# Altium PCB flight controller rev2.PcbDoc (part 3 of 3)
Units mil, origin at the board's own origin, x right, y up, seen from the top; angles counter-clockwise.
Board outline 2992.13 x 3937.01 mil, 4 copper layers (Top Layer, horizontal, vertical, Bottom Layer), stack 70.112 mil thick; 184 components, 196 nets, 867 pads, 294 vias.
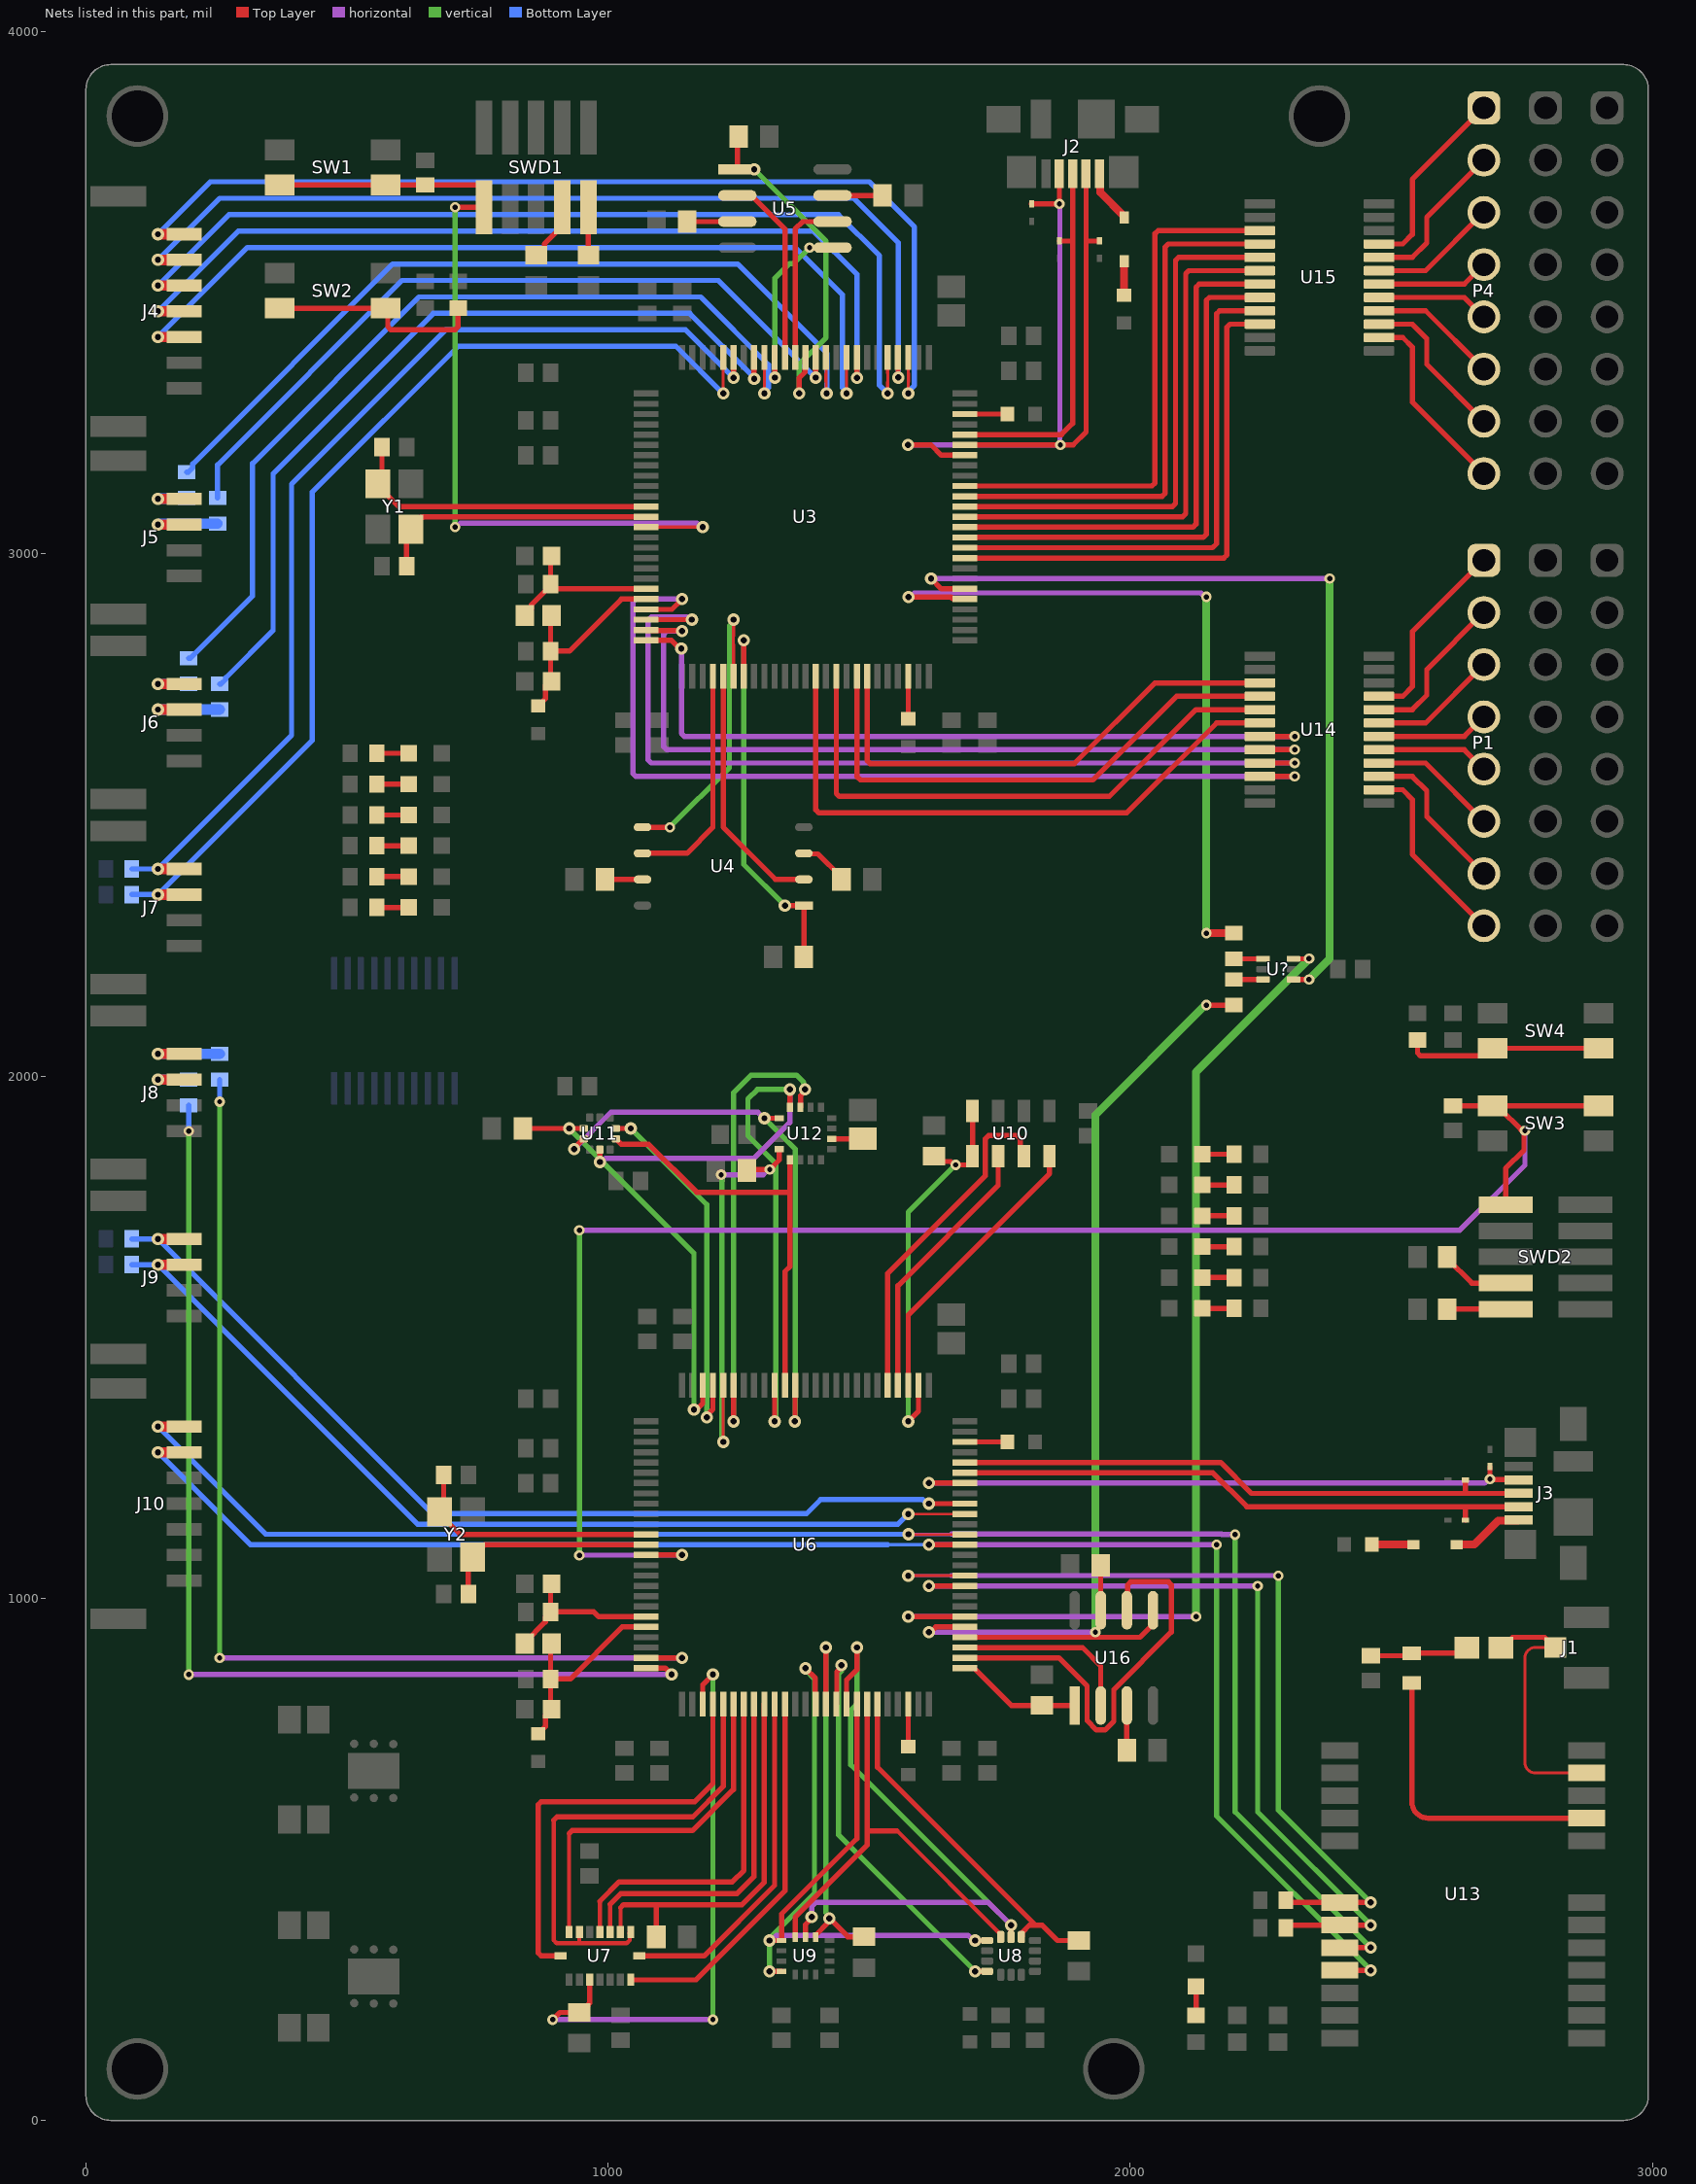
[diagram p5: the nets of this part, all layers, seen from the top]

## Via types
v1: diameter 23.62, hole 11.81, Top Layer to vertical, 133 vias
v2: diameter 23.62, hole 11.81, Top Layer to Bottom Layer, 86 vias
v3: diameter 20, hole 10, horizontal to vertical, 32 vias
v4: diameter 20, hole 10, Top Layer to vertical, 19 vias
v5: diameter 20, hole 10, Top Layer to horizontal, 12 vias
v6: diameter 23.62, hole 11.81, Top Layer to horizontal, 9 vias
v7: diameter 20, hole 10, vertical to Bottom Layer, 2 vias
v8: diameter 23.62, hole 11.81, horizontal to Bottom Layer, 1 vias

## Nets (pads, with @x,y where several pads share a name; then routed paths per layer and width w, separated by ;. In a path a pad name is that pad's centre, name@x,y a point inside that pad or via, vN(x,y) a via of type N, cw(c..) or ccw(c..) an arc to the next point about the centre after c; other vN are vias at no path point) (continued)
I2C1_SCL_MP: J7.1 R1.1 U3.95 | length 2039
  Top Layer w10: v2(137.8,2396.65) J7.1@187.99,2396.65 ; v2(1240.02,3337.43) v2(1240.02,3337.43) 1240.08,3375.92 U3.95@1240.14,3375.98
  Top Layer w20: v2(137.8,2396.65) J7.1@187.99,2396.65
  Bottom Layer w10: R1.1@87.6,2396.65 v2(137.8,2396.65) 393.7,2652.56 393.7,3133.86 688.98,3429.13 1148.31,3429.13 v2(1240.02,3337.43)
I2C1_SDA_MP: J7.2 R2.2 U3.96 | length 2053.4
  Top Layer w6: v2(1220.46,3307.09) 1220.46,3328.97 1220.21,3329.22 1220.21,3345.63 1220.46,3345.88 U3.96@1220.46,3375.98
  Top Layer w10: v2(137.8,2347.44) J7.2@187.99,2347.44
  Top Layer w20: v2(137.8,2347.44) J7.2@187.99,2347.44
  Bottom Layer w10: R2.2@87.6,2347.44 v2(137.8,2347.44) 433.07,2642.72 433.07,3118.11 712.6,3397.64 1129.91,3397.64 v2(1220.46,3307.09)
I2C3_SCL_CP: J9.1 R3.1 U6.67 | length 1928.2
  Top Layer w10: v2(137.8,1687.99) J9.1@187.99,1687.99 ; v2(1614.16,1181.1) U6.67@1683.06,1181.1
  Top Layer w20: v2(137.8,1687.99) J9.1@187.99,1687.99
  Bottom Layer w10: R3.1@87.6,1687.99 v2(137.8,1687.99) 663.84,1161.94 1379.83,1161.94 1406.86,1188.98 1602.6,1188.98 1610.47,1181.1 v2(1614.16,1181.1)
I2C3_SDA_CP: J9.2 R4.1 U6.66 | length 1909.9
  Top Layer w5: v2(1574.79,1161.17) 1574.91,1161.29 1682.93,1161.29 U6.66@1683.06,1161.42
  Top Layer w10: v2(137.8,1638.78) J9.2@187.99,1638.78
  Top Layer w20: v2(137.8,1638.78) J9.2@187.99,1638.78
  Bottom Layer w10: R4.1@87.6,1638.78 v2(137.8,1638.78) 634.84,1141.73 1555.35,1141.73 v2(1574.79,1161.17)
I2C4_SCL_CP: R13.2 U6.59 U13.19 | length 1602.5
  Top Layer w10: v1(1614.16,1023.62) U6.59@1683.06,1023.62 ; R13.2@2298.23,368.85 2303.39,374.02 U13.19@2401.56,374.02 v1(2460.61,374.02)
  horizontal w10: v1(1614.16,1023.62) 1614.32,1023.47 2243.92,1023.47 v3(2244.08,1023.31)
  vertical w10: v3(2244.08,1023.31) 2244.08,590.55 v1(2460.61,374.02)
I2C4_SDA_CP: R14.2 U6.60 U13.18 | length 1680.2
  Top Layer w5: v1(1574.79,1043.18) 1574.91,1043.31 1606.16,1043.31 ; 1606.16,1043.3 1622.16,1043.3 ; 1622.16,1043.31 U6.60@1683.06,1043.31
  Top Layer w10: R14.2@2298.23,421.26 2302.16,417.32 U13.18@2401.56,417.32 v1(2460.61,417.32)
  horizontal w5: v1(1574.79,1043.18) 1574.91,1043.31 1602.77,1043.31 1657.46,1043.3
  horizontal w10: 1657.47,1043.31 2283.13,1043.31 v3(2283.45,1042.99)
  vertical w10: v3(2283.45,1042.99) 2283.45,594.49 v1(2460.61,417.32)
INT_BMI088_ACCEL1: U6.35 U7.16 | length 662.4
  Top Layer w10: U7.16@1059.63,314.96 1183.8,314.96 1318.88,450.04 1318.88,755.75 U6.35@1318.88,797.24
INT_BMI088_ACCEL2: U6.36 U7.1 | length 723.7
  Top Layer w10: U7.1@1043.29,269.1 1168.25,269.1 1338.57,439.42 U6.36@1338.57,797.24
INT_BMI088_GYRO1: U6.32 U7.12 | length 677.4
  Top Layer w8: U7.12@984.24,360.83 984.24,419.34
  Top Layer w10: 984.24,419.34 984.24,419.65 1021.28,456.69 1237.81,456.69 1259.83,478.71 1259.83,755.75 U6.32@1259.83,797.24
INT_BMI088_GYRO2: U6.33 U7.13 | length 680.9
  Top Layer w8: U7.13@1003.92,360.83 1003.92,413.88
  Top Layer w10: 1003.92,413.88 1024.38,434.34 1246.88,434.34 1279.51,466.98 U6.33@1279.51,797.24
INT_ICM42688P: U6.41 U8.4 | length 799
  Top Layer w10: U6.41@1436.99,797.24 1437.9,798.15 1437.9,858.97 1447.07,868.14 v1(1447.07,871.83) ; v1(1702.74,285.43) U8.4@1725.77,285.43
  vertical w10: v1(1447.07,871.83) 1447.07,860.45 1441.12,854.5 1441.12,547.06 v1(1702.74,285.43)
INT_ICM45686: U6.39 U9.4 | length 723.1
  Top Layer w10: v1(1309.04,285.43) U9.4@1332.17,285.43 ; v1(1377.94,865.78) 1396.72,847.01 1396.72,798.15 U6.39@1397.62,797.24
  vertical w10: v1(1309.04,285.43) 1309.04,348.43 1395.24,434.63 1395.24,845.53 1377.94,862.84 v1(1377.94,865.78)
INT_ICP20100: U6.97 U11.7 | length 707.8
  Top Layer w10: U11.7@1014.95,1899.61 v1(1043.29,1899.61) ; v1(1188.96,1346.46) 1188.96,1350.14 1200.77,1361.95 U6.97@1200.77,1407.48
  vertical w10: v1(1043.29,1899.61) 1188.96,1753.94 v1(1188.96,1346.46)
INT_MMC5983MA: U6.95 U12.15 | length 905.2
  Top Layer w10: v1(1240.02,1338.58) 1240.08,1338.65 1240.08,1407.42 U6.95@1240.14,1407.48 ; U12.15@1368.09,1939.96 1369,1940.87 1369,1962.69 1377.03,1970.72 v1(1377.03,1974.41)
  vertical w10: v1(1240.02,1338.58) 1240.02,1967.95 1273.87,2001.81 1360.38,2001.81 1374.43,1987.76 1374.43,1977.02 v1(1377.03,1974.41)
nCS_BMI088_ACCEL: R21.1 U6.34 U7.14 | length 745.7
  Top Layer w8: U7.14@1023.81,361.03 1023.81,407.23
  Top Layer w10: U7.14@1023.61,360.83 U7.14@1023.81,361.03 ; 1023.81,407.23 1029.67,413.09 1090.54,413.09 ; R21.1@1092.22,351.54 1092.22,411.41 1090.54,413.09 ; U6.34@1299.2,797.24 1299.2,755.75 1299.2,455.84 1256.45,413.09 1090.54,413.09
nCS_BMI088_GYRO: R20.1 U6.28 U7.5 | length 1162.7
  Top Layer w10: v5(893.7,192.91) 907.48,206.69 948.8,206.69 961.52,219.41 961.52,221.38 964.55,224.41 U7.5@964.55,269.1 ; U6.28@1181.09,797.24 1181.09,834.25 v1(1200.77,853.94)
  horizontal w10: v5(893.7,192.91) v3(1200.77,192.91)
  vertical w10: v3(1200.77,192.91) v1(1200.77,853.94)
nCS_EEPROM_CP: R19.1 U6.51 U16.1 | length 240
  Top Layer w10: U6.51@1683.06,866.14 1700.77,866.14 1772.27,794.65 R19.1@1830.69,794.65 U16.1@1893.49,794.64
nCS_EEPROM_MP: R10.1 U3.88 U5.1 | length 637.5
  Top Layer w10: U5.1@1247.38,3736.42 R10.1@1247.38,3799.21 ; v1(1365.78,3307.09) 1365.78,3336.81 1377.03,3348.06 U3.88@1377.03,3369.47
  vertical w10: v1(1279.64,3736.42) 1417.31,3598.75 1417.31,3414.28 1365.78,3362.75 v1(1365.78,3307.09)
nCS_FLASH_MP: R7.1 U3.32 U4.1 | length 744.4
  Top Layer w10: v1(1259.7,2834.65) 1259.76,2834.58 1259.76,2765.81 U3.32@1259.83,2765.75 ; v1(1338.57,2326.58) U4.1@1375.01,2326.58 R7.1@1375.01,2228.35
  vertical w10: v1(1259.7,2834.65) 1259.7,2405.44 v1(1338.57,2326.58)
nCS_ICM42688P: R22.1 U6.45 U8.12 | length 684.8
  Top Layer w10: U6.45@1515.73,797.24 1515.73,676.46 1818.17,374.02 ; U8.12@1791.32,350.98 1793.21,352.87 1793.21,360.16 1807.07,374.02 1818.17,374.02 ; R22.1@1901.56,344.49 1860.63,344.49 1831.1,374.02 1818.17,374.02
nCS_ICM45686: R23.1 U6.40 U9.12 | length 757.6
  Top Layer w10: U9.12@1397.62,350.89 1397.62,355.16 1421.1,378.63 1421.1,384.44 v1(1423.71,387.05) 1459.22,351.54 R23.1@1490.02,351.54 ; U6.40@1417.31,797.24 1417.31,856.86 1417.06,857.11 1417.06,875.18 1417.31,875.43 1417.31,905.01 v1@1417.56,905.26
  vertical w10: v1(1417.31,905.51) 1417.06,905.26 1417.06,397.38 1423.71,390.73 v1(1423.71,387.05)
nCS_ICP20100: R26.1 U6.98 U11.1 | length 810.8
  Top Layer w10: R26.1@836.6,1899.61 v1(925.38,1899.61) U11.1@953.53,1899.61 ; v1(1164.28,1360.96) 1166.89,1363.57 1171.6,1363.57 1181.09,1373.06 U6.98@1181.09,1407.48
  vertical w10: v1(925.38,1899.61) 1164.28,1660.7 v1(1164.28,1360.96)
nCS_MMC5983MA: R25.1 U6.96 U12.4 | length 810.8
  Top Layer w6: v1(1220.46,1299.21) 1220.46,1330.13 1220.21,1330.38 1220.21,1358.49 1220.46,1358.74 U6.96@1220.46,1407.48
  Top Layer w10: R25.1@1265.73,1818.9 1267.7,1820.87 v5(1309.45,1820.87) 1327.74,1839.15 1327.74,1859.33 U12.4@1326.83,1860.24
  horizontal w10: v3(1216.52,1811.02) 1296.9,1811.02 1306.75,1820.87 v5(1309.45,1820.87)
  vertical w10: v3(1216.52,1811.02) 1218.21,1809.34 1218.21,1301.46 v1(1220.46,1299.21)
nCS_MS5611: R24.1 U6.77 U10.4 U10.5 | length 785.8
  Top Layer w10: v1(1574.79,1338.58) 1594.47,1358.27 U6.77@1594.47,1407.48 ; R24.1@1624,1846.46 1634.1,1836.35 1656.08,1836.35 1662.63,1829.8 1691.01,1829.8 1697.82,1836.61 U10.4@1697.82,1933.07
  vertical w10: v1(1574.79,1338.58) 1574.79,1739.25 v4(1665.34,1829.8)
NetC19_2: C19.2 U3.73 | length 81.7
  Top Layer w10: U3.73@1683.06,3267.72 C19.2@1764.75,3267.72
NetC20_2: C20.2 U3.48 | length 81.7
  Top Layer w10: C20.2@1574.79,2684.06 U3.48@1574.79,2765.75
NetC39_2: C39.2 U6.73 | length 81.7
  Top Layer w10: U6.73@1683.06,1299.21 C39.2@1764.75,1299.21
NetC40_2: C40.2 U6.48 | length 81.7
  Top Layer w10: C40.2@1574.79,715.55 U6.48@1574.79,797.24
NetC49_1: C49.1 U12.10 | length 60
  Top Layer w10: U12.10@1428.13,1879.92 C49.1@1488.17,1879.92
NetC54_1: C54.1 FB3.2 R28.1 | length 193
  Top Layer w10: C54.1@2460.61,889.76 2534.43,889.76 ccw(c2534.43,894.69) R28.1@2539.36,894.69 2633.8,894.69 ccw(c2633.8,905.51) FB3.2@2644.63,905.51
NetD1_2: D1.2 R27.2 | length 55.7
  Top Layer w10: R27.2@2125.97,200.79 D1.2@2125.97,256.5
NetD2_1: D2.1 FB4.1 | length 65.6
  Top Layer w15: FB4.1@1988.17,3495.28 D2.1@1988.17,3560.83
NetD2_2: D2.2 J2.1 | length 103.6
  Top Layer w15: J2.1@1940.93,3727.95 1942.29,3726.59 1942.29,3692.54 1988.17,3646.65 D2.2@1988.17,3643.9
NetD3_1: D3.1 FB5.1 | length 79.5
  Top Layer w15: FB5.1@2462.58,1102.85 D3.1@2542.11,1102.85
NetD3_2: D3.2 J3.1 | length 137.9
  Top Layer w15: D3.2@2625.18,1102.85 2659.3,1102.85 2704.69,1148.25 2742.33,1148.25 J3.1@2743.69,1149.61
NetD4_2: D4.2 R39.2 | length 61
  Top Layer w10: R39.2@557.07,2618.11 D4.2@618.1,2618.11
NetD5_2: D5.2 R40.2 | length 61
  Top Layer w10: R40.2@557.07,2559.06 D5.2@618.1,2559.06
NetD6_2: D6.2 R41.2 | length 61
  Top Layer w10: R41.2@557.07,2500 D6.2@618.1,2500
NetD7_2: D7.2 R42.2 | length 61
  Top Layer w10: R42.2@557.07,2440.95 D7.2@618.1,2440.95
NetD8_2: D8.2 R43.2 | length 61
  Top Layer w10: R43.2@557.07,2381.89 D8.2@618.1,2381.89
NetD9_2: D9.2 R44.2 | length 61
  Top Layer w10: R44.2@557.07,2322.84 D9.2@618.1,2322.84
NetD10_2: D10.2 R45.2 | length 61
  Top Layer w10: D10.2@2137.78,1555.12 R45.2@2198.8,1555.12
NetD11_2: D11.2 R46.2 | length 61
  Top Layer w10: D11.2@2137.78,1614.17 R46.2@2198.8,1614.17
NetD12_2: D12.2 R47.2 | length 61
  Top Layer w10: D12.2@2137.78,1673.23 R47.2@2198.8,1673.23
NetD13_2: D13.2 R48.2 | length 61
  Top Layer w10: D13.2@2137.78,1732.28 R48.2@2198.8,1732.28
NetD14_2: D14.2 R49.2 | length 61
  Top Layer w10: D14.2@2137.78,1791.34 R49.2@2198.8,1791.34
NetD15_2: D15.2 R50.2 | length 61
  Top Layer w10: D15.2@2137.78,1850.39 R50.2@2198.8,1850.39
NetFB3_1: FB3.1 J1.1 U13.11 | length 520
  Top Layer w5.62: J1.1@2813.96,905.51 2775.59,905.51 ccw(c2775.59,885.83) 2755.91,885.83 2755.91,685.04 ccw(c2775.59,685.04) 2775.59,665.35 U13.11@2874,665.35
  Top Layer w10: FB3.1@2709.67,905.51 2712.58,905.51 2732.27,925.2 2793.29,925.2 2812.98,905.51 J1.1@2813.96,905.51
NetJ5_1: J5.1 R53.2 | length 106.1
  Top Layer w20: v2(137.8,3105.32) J5.1@187.99,3105.32
  Bottom Layer w20: v2(137.8,3105.32) 138.49,3106.01 191.64,3106.01 R53.2@192.91,3107.28
NetJ5_2: J5.2 R54.2 | length 165.2
  Top Layer w20: v2(137.8,3056.1) J5.2@187.99,3056.1
  Bottom Layer w20: v2(137.8,3056.1) 138.78,3056.1 140.74,3058.07 R54.2@251.97,3058.07
NetJ6_1: J6.1 R51.2 | length 109.3
  Top Layer w20: v2(137.8,2750.98) J6.1@187.99,2750.98
  Bottom Layer w20: v2(137.8,2750.98) R51.2@196.85,2750.98
NetJ6_2: J6.2 R52.2 | length 168.3
  Top Layer w20: v2(137.8,2701.77) J6.2@187.99,2701.77
  Bottom Layer w20: v2(137.8,2701.77) R52.2@255.91,2701.77
NetJ8_1: J8.1 R55.2 | length 168.3
  Top Layer w20: v2(137.8,2042.32) J8.1@187.99,2042.32
  Bottom Layer w20: v2(137.8,2042.32) R55.2@255.91,2042.32
NetJ8_2: J8.2 R56.2 | length 109.3
  Top Layer w20: v2(137.8,1993.11) J8.2@187.99,1993.11
  Bottom Layer w20: v2(137.8,1993.11) R56.2@196.85,1993.11
NetP1_1: P1.1 U14.21 | length 370.2
  Top Layer w10: U14.21@2476.36,2727.36 2521.84,2727.36 2540.34,2745.87 2540.34,2850.98 P1.1@2677.15,2987.8
NetP1_2: P1.2 U14.20 | length 306.7
  Top Layer w10: U14.20@2476.36,2701.77 2540.34,2701.77 2567.93,2729.36 2567.93,2778.57 P1.2@2677.15,2887.8
NetP1_3: P1.3 U14.19 | length 247
  Top Layer w10: U14.19@2476.36,2676.18 2565.54,2676.18 P1.3@2677.15,2787.8
NetP1_4: P1.4 U14.18 | length 216.2
  Top Layer w10: U14.18@2476.36,2650.59 2639.95,2650.59 P1.4@2677.15,2687.8
NetP1_5: P1.5 U14.17 | length 216.2
  Top Layer w10: U14.17@2476.36,2625 2639.95,2625 P1.5@2677.15,2587.8
NetP1_6: P1.6 U14.16 | length 247
  Top Layer w10: U14.16@2476.36,2599.41 2565.54,2599.41 P1.6@2677.15,2487.8
NetP1_7: P1.7 U14.15 | length 306.7
  Top Layer w10: U14.15@2476.36,2573.82 2540.34,2573.82 2567.93,2546.23 2567.93,2497.02 P1.7@2677.15,2387.8
NetP1_8: P1.8 U14.14 | length 370.2
  Top Layer w10: U14.14@2476.36,2548.23 2521.84,2548.23 2540.34,2529.72 2540.34,2424.61 P1.8@2677.15,2287.8
NetP4_1: P4.1 U15.21 | length 370.2
  Top Layer w10: U15.21@2476.36,3593.5 2521.84,3593.5 2540.34,3612.01 2540.34,3717.13 P4.1@2677.15,3853.94
NetP4_2: P4.2 U15.20 | length 306.7
  Top Layer w10: U15.20@2476.36,3567.91 2540.34,3567.91 2567.93,3595.5 2567.93,3644.72 P4.2@2677.15,3753.94
NetP4_3: P4.3 U15.19 | length 247
  Top Layer w10: U15.19@2476.36,3542.32 2565.54,3542.32 P4.3@2677.15,3653.94
NetP4_4: P4.4 U15.18 | length 216.2
  Top Layer w10: U15.18@2476.36,3516.73 2639.95,3516.73 P4.4@2677.15,3553.94
NetP4_5: P4.5 U15.17 | length 216.2
  Top Layer w10: U15.17@2476.36,3491.14 2639.95,3491.14 P4.5@2677.15,3453.94
NetP4_6: P4.6 U15.16 | length 247
  Top Layer w10: U15.16@2476.36,3465.55 2565.54,3465.55 P4.6@2677.15,3353.94
NetP4_7: P4.7 U15.15 | length 306.7
  Top Layer w10: U15.15@2476.36,3439.96 2540.34,3439.96 2567.93,3412.37 2567.93,3363.16 P4.7@2677.15,3253.94
NetP4_8: P4.8 U15.14 | length 370.2
  Top Layer w10: U15.14@2476.36,3414.37 2521.84,3414.37 2540.34,3395.87 2540.34,3290.75 P4.8@2677.15,3153.94
NetR5_1: R5.1 U4.3 | length 94.8
  Top Layer w10: U4.3@1375.01,2426.58 1376.05,2425.53 1401.82,2425.53 1446.84,2380.51 R5.1@1446.84,2376.58
NetR6_1: R6.1 U4.7 | length 71.8
  Top Layer w10: R6.1@994.08,2376.58 U4.7@1065.91,2376.58
NetR8_1: R8.1 U5.3 | length 95.8
  Top Layer w10: R8.1@1151.56,3636.42 U5.3@1247.38,3636.42
NetR9_1: R9.1 U5.7 | length 95.8
  Top Layer w10: U5.7@1429.75,3686.42 R9.1@1525.58,3686.42
NetR17_1: R17.1 U16.3 | length 86
  Top Layer w10: R17.1@1993.49,708.66 U16.3@1993.49,794.64
NetR18_1: R18.1 U16.7 | length 86
  Top Layer w10: U16.7@1943.49,977.01 R18.1@1943.49,1062.99
NetR28_2: R28.2 U13.9 | length 580
  Top Layer w10: R28.2@2539.36,837.6 2539.36,610.24 ccw(c2570.85,610.24) 2570.85,578.74 U13.9@2874,578.74
NetR29_1: R29.1 SWD1.2 | length 91.9
  Top Layer w10: R29.1@962.19,3571.85 SWD1.2@962.19,3663.78
NetR30_1: R30.1 SWD1.4 | length 114.4
  Top Layer w10: R30.1@862.19,3571.85 865.14,3571.85 877.86,3584.57 877.86,3593.62 912.19,3627.95 SWD1.4@912.19,3663.78
NetR31_1: R31.1 SWD2.2 | length 111.6
  Top Layer w10: R31.1@2607.27,1553.54 SWD2.2@2718.88,1553.54
NetR32_1: R32.1 SWD2.4 | length 134.1
  Top Layer w10: R32.1@2607.27,1653.54 2607.27,1650.59 2654.32,1603.54 SWD2.4@2718.88,1603.54
NetR36_2: R36.2 SW2.2 SW2.4 | length 415.7
  Top Layer w10: SW2.4@371.05,3470.47 SW2.2@573.8,3470.47 578.02,3466.25 578.02,3434.99 583.88,3429.13 706.73,3429.13 712.58,3434.99 712.58,3468.5 R36.2@710.61,3470.47
NetR38_2: R38.2 SW4.2 SW4.4 | length 379.5
  Top Layer w10: R38.2@2550.18,2068.9 2550.18,2044.32 2556.04,2038.46 2679.2,2038.46 SW4.4@2693.88,2053.15 SW4.2@2896.64,2053.15
NetR57_2: R57.2 U?.1 | length 55.5
  Top Layer w10: R57.2@2198.8,2224.41 U?.1@2254.33,2224.41
NetR58_2: R58.2 U?.3 | length 55.5
  Top Layer w10: R58.2@2198.8,2185.04 U?.3@2254.33,2185.04
nRESET_CP: C56.1 SW3.1 SW3.3 SWD2.10 U6.14 | length 3324.1
  Top Layer w10: U6.14@1072.82,1082.68 1072.88,1082.74 1141.65,1082.74 v1(1141.72,1082.8) ; C56.1@2618.1,1942.91 SW3.3@2708.66,1942.91 ; SWD2.10@2718.88,1753.54 2718.88,1823.01 2753.99,1858.12 2753.99,1893.76 v5(2755.91,1895.67) 2753.99,1897.58 2748.07,1897.58 2708.66,1936.99 SW3.3@2708.66,1942.91 ; SW3.1@2896.64,1942.91 SW3.3@2708.66,1942.91
  horizontal w10: v3(944.87,1082.05) 945.24,1082.43 1141.34,1082.43 v1(1141.72,1082.8) ; v3(944.87,1704.72) 2631.28,1704.72 2755.91,1829.35 v5(2755.91,1895.67)
  vertical w10: v3(944.87,1082.05) v3(944.87,1704.72)
nRESET_MP: C55.1 SW1.1 SW1.3 SWD1.10 U3.14 | length 1684.6
  Top Layer w6: U3.14@1072.95,3051.31 v1(1181.09,3051.31)
  Top Layer w10: SW1.1@371.05,3706.69 SW1.3@573.8,3706.69 C55.1@649.59,3706.69 751.44,3706.69 762.19,3695.95 SWD1.10@762.19,3663.78 v4(706.73,3663.78)
  horizontal w10: v3(706.73,3051.31) 709.43,3051.31 717.18,3059.06 1169.65,3059.06 1177.4,3051.31 v1(1181.09,3051.31)
  vertical w10: v3(706.73,3051.31) v4(706.73,3663.78)
PH0_CP: C38.1 U6.12 Y2.1 | length 486.1
  Top Layer w10: Y2.1@677.15,1161.42 716.52,1122.05 U6.12@1072.82,1122.05 ; Y2.1@677.15,1165.35 685.02,1173.23 C38.1@685.02,1236.22
PH0_MP: C18.1 U3.12 Y1.1 | length 608.2
  Top Layer w10: C18.1@566.91,3204.72 566.91,3137.8 559.04,3129.92 598.41,3090.55 U3.12@1072.82,3090.55
PH1_CP: C37.1 U6.13 Y2.3 | length 415
  Top Layer w10: C37.1@732.27,1007.87 732.27,1070.87 Y2.3@740.14,1078.74 ; Y2.3@740.14,1082.68 758.76,1101.3 762.7,1101.3 763.76,1102.36 U6.13@1072.82,1102.36
PH1_MP: C17.1 U3.13 Y1.3 | length 533.1
  Top Layer w10: C17.1@614.16,2976.38 614.16,3039.37 Y1.3@622.03,3047.24 ; Y1.3@622.03,3051.18 640.65,3069.8 645.45,3069.8 646.51,3070.87 U3.13@1072.82,3070.87
SPI1_MISO_CP: U6.90 U11.6 U12.5 | length 812.5
  Top Layer w10: U11.6@1014.95,1879.92 1015.73,1879.92 1017.62,1878.03 1017.62,1877.24 1025.58,1869.29 1077.86,1869.29 1169.59,1777.56 1348.41,1777.56 ; U6.90@1338.57,1407.48 1338.57,1625.53 1348.41,1635.37 1348.41,1777.56 ; U12.5@1348.41,1839.57 1348.41,1777.56
SPI1_MISO_MP: U3.90 U5.2 | length 363.9
  Top Layer w10: U5.2@1247.38,3686.42 1274.19,3686.42 1338.57,3622.04 U3.90@1338.57,3375.98
SPI1_MOSI_CP: U6.91 U11.4 U12.16 | length 1314
  Top Layer w10: v6(984.24,1835.55) U11.4@984.24,1859.06 ; U6.91@1318.88,1407.48 U6.91@1318.88,1407.48 1318.95,1338.65 v1(1319.01,1338.58) ; U12.16@1348.41,1939.96 v1(1348.41,1974.25)
  horizontal w10: v6(984.24,1835.55) 987.92,1835.55 994.89,1842.52 1279.53,1842.52 1348.41,1911.4 v1(1348.41,1974.25)
  vertical w10: v1(1319.01,1338.58) 1321.01,1340.58 1321.01,1832.52 1267.7,1885.83 1267.7,1956.14 1285.97,1974.41 1348.25,1974.41 v1(1348.41,1974.25)
SPI1_MOSI_MP: U3.91 U5.5 | length 363.5
  Top Layer w10: U3.91@1318.88,3375.98 1319.07,3375.8 1319.07,3337.74 v1(1319.26,3337.55) ; v4(1385.83,3586.42) U5.5@1429.75,3586.42
  vertical w10: v1(1319.26,3337.55) 1319.26,3527.62 1347.7,3556.06 1355.47,3556.06 v4(1385.83,3586.42)
SPI1_SCK_CP: U6.89 U11.2 U12.1 | length 1128.9
  Top Layer w10: v6(935.02,1860.24) 935.02,1862.21 952.74,1879.92 U11.2@953.53,1879.92 ; v1(1299.2,1919.29) U12.1@1327.74,1919.29 ; v1(1357.69,1338.58) 1357.97,1338.87 1357.97,1407.2 U6.89@1358.25,1407.48
  horizontal w10: v6(935.02,1860.24) 1005.57,1930.78 1286.53,1930.78 1298.02,1919.29 v1(1299.2,1919.29)
  vertical w10: v1(1299.2,1919.29) 1358.13,1860.36 1358.13,1339.02 v1(1357.69,1338.58)
SPI1_SCK_MP: U3.89 U5.6 | length 323.5
  Top Layer w10: U3.89@1358.25,3375.98 1358.25,3622.04 1372.63,3636.42 U5.6@1429.75,3636.42
SPI2_MISO_CP: U6.53 U16.2 | length 350.8
  Top Layer w10: U6.53@1683.06,905.51 1908.45,905.51 1943.49,870.47 U16.2@1943.49,794.64
SPI2_MOSI_CP: U6.54 U16.5 | length 397.6
  Top Layer w10: U6.54@1683.06,925.2 2018.48,925.2 2043.49,950.2 U16.5@2043.49,977.01
SPI2_SCK_CP: U6.52 U16.6 | length 833.1
  Top Layer w10: U6.52@1683.06,885.83 1863.42,885.83 1917.31,831.94 1917.31,765.62 1935.17,747.75 1951.81,747.75 1968.49,764.43 1968.49,824.85 2078.74,935.1 2078.74,1025.64 2072.88,1031.5 2000.87,1031.5 1995.02,1025.64 1995.02,978.54 U16.6@1993.49,977.01
SPI3_INT_MP: J4.5 U3.84 | length 1781
  Top Layer w5: v2(1456.68,3307.09) U3.84@1456.68,3375.98
  Top Layer w10: v2(137.8,3415.35) J4.5@187.99,3415.35
  Top Layer w20: v2(137.8,3415.35) J4.5@187.99,3415.35
  Bottom Layer w10: v2(137.8,3415.35) 309.06,3586.61 1358.27,3586.61 1448.82,3496.06 1448.82,3318.63 1456.68,3310.77 v2(1456.68,3307.09)
SPI3_MISO_CP: U6.79 U10.6 | length 518.5
  Top Layer w10: U6.79@1555.1,1407.48 1555.1,1448.98 1555.1,1598.41 1747.03,1790.34 U10.6@1747.03,1846.46
SPI3_MISO_MP: J4.2 U3.79 | length 1899.1
  Top Layer w10: v2(137.8,3562.99) J4.2@187.99,3562.99 ; U3.79@1555.1,3375.98 1555.35,3375.73 1555.35,3337.99 v2(1555.61,3337.74)
  Top Layer w20: v2(137.8,3562.99) J4.2@187.99,3562.99
  Bottom Layer w10: v2(137.8,3562.99) 255.91,3681.1 1470.52,3681.1 1555.61,3596.02 v2(1555.61,3337.74)
SPI3_MOSI_CP: U6.80 U10.7 | length 658.1
  Top Layer w10: U6.80@1535.42,1407.48 1535.42,1622.05 1722.43,1809.06 1722.43,1879.97 1728.28,1885.83 1783.58,1885.83 1789.43,1879.97 1789.43,1853.27 U10.7@1796.24,1846.46
SPI3_MOSI_MP: J4.3 U3.80 | length 1910.7
  Top Layer w6: v2(1535.42,3307.09) 1535.42,3328.78 1535.8,3329.16 1535.8,3345.57 1535.42,3345.95 U3.80@1535.42,3375.98
  Top Layer w10: v2(137.8,3513.78) J4.3@187.99,3513.78
  Top Layer w20: v2(137.8,3513.78) J4.3@187.99,3513.78
  Bottom Layer w10: v2(137.8,3513.78) 273.62,3649.61 1440.95,3649.61 1519.69,3570.87 1519.69,3322.82 v2(1535.42,3307.09)
SPI3_NCS_MP: J4.4 U3.83 | length 1773.5
  Top Layer w10: v2(137.8,3464.57) J4.4@187.99,3464.57 ; v2(1476.36,3337.36) U3.83@1476.36,3375.98
  Top Layer w20: v2(137.8,3464.57) J4.4@187.99,3464.57
  Bottom Layer w10: v2(137.8,3464.57) 291.34,3618.11 1393.7,3618.11 1476.36,3535.45 v2(1476.36,3337.36)
SPI3_SCK_CP: U6.78 U10.8 | length 551.1
  Top Layer w10: U6.78@1574.79,1407.48 1574.79,1542.51 1845.46,1813.18 U10.8@1845.46,1846.46
SPI3_SCK_MP: J4.1 U3.78 | length 2019.9
  Top Layer w6: v2(1574.79,3307.09) 1574.79,3328.9 1575.42,3329.53 1575.42,3345.95 1574.79,3346.58 U3.78@1574.79,3375.98
  Top Layer w10: v2(137.8,3612.2) J4.1@187.99,3612.2
  Top Layer w20: v2(137.8,3612.2) J4.1@187.99,3612.2
  Bottom Layer w10: v2(137.8,3612.2) 238.19,3712.6 1500,3712.6 1586.61,3625.98 1586.61,3322.6 1574.79,3310.77 v2(1574.79,3307.09)
SPI4_MISO_CP: U6.43 U8.1 U9.1 | length 960.5
  Top Layer w10: v6(1309.04,344.49) U9.1@1332.17,344.49 1332.17,395.16 1476.36,539.36 1476.36,755.75 U6.43@1476.36,797.24 ; v6(1702.74,344.49) U8.1@1725.77,344.49
  horizontal w10: v6(1309.04,344.49) 1312.73,344.49 1322.57,354.33 1689.21,354.33 1699.05,344.49 v6(1702.74,344.49)
SPI4_MOSI_CP: U6.44 U8.14 U9.14 | length 846.4
  Top Layer w8: 1553.19,554.47 U8.14@1751.95,355.71
  Top Layer w10: U9.14@1358.25,350.89 1358.25,389.11 1496.05,526.91 1496.05,554.47 ; U6.44@1496.05,797.24 1496.05,554.47 ; 1553.19,554.47 1496.05,554.47 ; U8.14@1751.95,350.98 U8.14@1751.95,355.71
SPI4_SCK_CP: U6.42 U8.13 U9.13 | length 1269.7
  Top Layer w10: U9.13@1377.94,350.89 1377.94,375.24 1389.75,387.05 v6(1389.75,389.76) ; U6.42@1456.68,797.24 1456.68,843.52 1476.36,863.21 v1(1476.36,905.51) ; U8.13@1771.64,350.98 v1(1771.64,374.02)
  horizontal w10: v6(1389.75,389.76) 1389.75,409.58 1397.5,417.32 1728.33,417.32 v1(1771.64,374.02)
  vertical w10: v1(1476.36,905.51) 1476.36,797.12 1464.55,785.31 1464.55,681.1 v1(1771.64,374.02)
SPI6_MISO_CP: U6.30 U7.10 U7.15 | length 927.8
  Top Layer w8: 895.65,574.72 895.65,345.07 901.51,339.21 944.87,339.21 ; U7.10@944.87,360.83 944.87,339.21 ; U7.15@1041.4,358.94 1041.4,345.07 1035.54,339.21 944.87,339.21
  Top Layer w10: 895.65,574.72 901.89,580.97 1162.02,580.97 1220.46,639.4 U6.30@1220.46,797.24 ; U7.15@1041.4,358.94 U7.15@1043.29,360.83
SPI6_MISO_MP: U3.30 U4.2 | length 485.1
  Top Layer w10: U3.30@1220.46,2765.75 1220.46,2476.58 1320.46,2376.58 U4.2@1375.01,2376.58
SPI6_MOSI_CP: U6.31 U7.9 | length 702
  Top Layer w8: U7.9@925.18,360.83 925.18,549.26
  Top Layer w10: 925.18,549.26 931.04,555.12 1161.63,555.12 1240.14,633.63 U6.31@1240.14,797.24
SPI6_MOSI_MP: U3.31 U4.5 | length 608.9
  Top Layer w6: U3.31@1240.14,2765.75 1240.14,2826.19 1239.89,2826.44 1239.89,2842.85 1240.14,2843.1 v1(1240.14,2874.02)
  Top Layer w10: U4.5@1065.91,2476.58 1066.01,2476.48 1118,2476.48 v4(1118.1,2476.38)
  vertical w10: v4(1118.1,2476.38) 1232.28,2590.57 1232.28,2862.47 1240.14,2870.33 v1(1240.14,2874.02)
SPI6_SCK_CP: U6.29 U7.8 | length 832.3
  Top Layer w10: U7.8@908.84,314.96 871.98,314.96 866.13,320.82 866.13,604.38 871.98,610.24 1165.84,610.24 1200.77,645.17 1200.77,755.75 U6.29@1200.77,797.24
SPI6_SCK_MP: U3.29 U4.6 | length 444.9
  Top Layer w10: U4.6@1065.91,2426.58 1150.97,2426.58 1200.77,2476.38 U3.29@1200.77,2765.75
TIM1_CH1_MP: U3.39 U14.6 | length 1182.1
  Top Layer w10: U3.39@1397.62,2765.75 1397.62,2509.8 1403.48,2503.94 1993.1,2503.94 2165.34,2676.18 U14.6@2249.98,2676.18
TIM1_CH2_MP: U3.41 U14.5 | length 1106.8
  Top Layer w10: U3.41@1436.99,2765.75 1436.99,2541.29 1442.85,2535.43 1959.63,2535.43 2125.97,2701.77 U14.5@2248.02,2701.77
TIM1_CH3_MP: U3.43 U14.4 | length 1032.9
  Top Layer w10: U3.43@1476.36,2765.75 1476.36,2573.82 1483.25,2566.93 1928.17,2566.93 2088.6,2727.36 U14.4@2248.02,2727.36
TIM1_CH4_MP: U3.44 U14.3 | length 979.9
  Top Layer w10: U3.44@1496.05,2765.75 1496.05,2604.28 1501.91,2598.43 1892.7,2598.43 2047.23,2752.95 U14.3@2248.02,2752.95
TIM4_CH1_MP: U3.59 U15.10 | length 1005.9
  Top Layer w10: U3.59@1683.06,2992.13 2179.17,2992.13 2185.02,2997.98 2185.02,3434.1 2190.88,3439.96 U15.10@2248.02,3439.96
TIM4_CH2_MP: U3.60 U15.9 | length 1010.7
  Top Layer w10: U3.60@1683.06,3011.81 2157.47,3011.81 2165.34,3019.69 2165.34,3459.69 2171.2,3465.55 U15.9@2248.02,3465.55
TIM4_CH3_MP: U3.61 U15.8 | length 1017.7
  Top Layer w10: U3.61@1683.06,3031.5 2139.8,3031.5 2145.65,3037.35 2145.65,3485.28 2151.51,3491.14 U15.8@2248.02,3491.14
TIM4_CH4_MP: U3.62 U15.7 | length 1023.5
  Top Layer w10: U3.62@1683.06,3051.18 2120.11,3051.18 2125.97,3057.04 2125.97,3510.67 2131.83,3516.53 2247.81,3516.53 U15.7@2248.02,3516.73
TIM5_CH1_MP: U3.22 U14.10 | length 1838.9
  Top Layer w10: U3.22@1072.82,2893.7 1122.03,2893.7 v1(1141.72,2913.39) ; U14.10@2248.02,2573.82 v4(2314.95,2573.82)
  horizontal w10: v1(1141.72,2913.39) 1053.1,2913.39 1047.24,2907.53 1047.24,2579.68 1053.1,2573.82 v4(2314.95,2573.82)
TIM5_CH2_MP: U3.23 U14.9 | length 1751.8
  Top Layer w10: U3.23@1072.82,2874.02 v1(1160.5,2874.02) ; U14.9@2248.02,2599.41 v4(2314.95,2599.41)
  horizontal w10: v1(1160.5,2874.02) 1157.89,2876.62 1154.2,2876.62 1151.81,2879.02 1082.41,2879.02 1076.55,2873.16 1076.55,2605.27 1082.41,2599.41 v4(2314.95,2599.41)
TIM5_CH3_MP: U3.24 U14.8 | length 1601.1
  Top Layer w10: U3.24@1072.82,2854.33 1073.73,2853.43 1140.5,2853.43 v2(1141.72,2852.21) ; U14.8@2248.02,2625 v4(2314.95,2625)
  horizontal w10: v2(1141.72,2852.21) 1112.16,2852.21 1106.3,2846.35 1106.3,2630.86 1112.16,2625 v4(2314.95,2625)
TIM5_CH4_MP: U3.25 U14.7 | length 1480.5
  Top Layer w10: U3.25@1072.82,2834.65 1120.87,2834.65 1136.62,2818.9 v1(1140.31,2818.9) ; U14.7@2248.02,2650.59 v4(2314.95,2650.59)
  horizontal w10: v1(1140.31,2818.9) 1140.31,2656.45 1146.17,2650.59 v4(2314.95,2650.59)
TIM8_CH1_MP: U3.63 U15.6 | length 1029.3
  Top Layer w10: U3.63@1683.06,3070.87 2099.94,3070.87 2106.28,3077.21 2106.28,3536.47 2112.14,3542.32 U15.6@2248.02,3542.32
TIM8_CH2_MP: U3.64 U15.5 | length 1035.5
  Top Layer w10: U3.64@1683.06,3090.55 2080.74,3090.55 2086.6,3096.41 2086.6,3562.06 2092.46,3567.91 U15.5@2248.02,3567.91
TIM8_CH3_MP: U3.65 U15.4 | length 1041.4
  Top Layer w10: U3.65@1683.06,3110.24 2061.06,3110.24 2066.91,3116.09 2066.91,3587.65 2072.77,3593.5 U15.4@2248.02,3593.5
TIM8_CH4_MP: U3.66 U15.3 | length 1047.3
  Top Layer w10: U3.66@1683.06,3129.92 2041.37,3129.92 2047.23,3135.78 2047.23,3613.24 2053.09,3619.1 U15.3@2248.02,3619.1
USART1_RX_MP: R52.1 U3.93 | length 1589
  Top Layer w10: U3.93@1279.51,3375.98 U3.93@1279.51,3375.98 1279.58,3335.43 v2(1279.64,3335.37)
  Bottom Layer w10: R52.1@255.91,2750.98 258.86,2750.98 267.64,2759.76 267.64,2762.72 358.27,2853.35 358.27,2922.24 358.27,3153.54 665.35,3460.63 1156.37,3460.63 1279.64,3337.36 v2(1279.64,3335.37)
USART1_TX_MP: R51.1 U3.92 | length 1726.9
  Top Layer w6: v2(1299.2,3307.09) 1299.45,3307.34 1299.45,3345.57 1299.2,3345.82 U3.92@1299.2,3375.98
  Bottom Layer w10: R51.1@196.85,2800.2 199.8,2800.2 318.9,2919.29 318.9,2932.09 318.9,3173.23 637.8,3492.13 1177.17,3492.13 1307.09,3362.2 1307.09,3318.66 1299.2,3310.77 v2(1299.2,3307.09)
USART2_RX_CP: R56.1 U6.25 | length 2064
  Top Layer w10: U6.25@1072.82,866.14 1109.41,866.14 v1(1121.62,853.94)
  horizontal w10: v3(196.85,853.7) 196.97,853.82 1121.5,853.82 v1(1121.62,853.94)
  vertical w10: v3(196.85,853.7) v7@196.85,1889.76
  Bottom Layer w10: v7(196.85,1894.69) R56.1@196.85,1943.9
USART2_RX_MP: R54.1 U3.87 | length 1470.4
  Top Layer w10: v2(1397.37,3337.55) 1397.5,3337.68 1397.5,3375.86 U3.87@1397.62,3375.98
  Bottom Layer w10: R54.1@251.97,3107.28 251.97,3170.28 605.31,3523.62 1211.3,3523.62 v2(1397.37,3337.55)
USART2_TX_CP: R55.1 U6.24 | length 2062
  Top Layer w10: U6.24@1072.82,885.83 1072.88,885.76 1141.59,885.76 v1(1141.65,885.7)
  horizontal w10: v3(255.91,885.7) v1(1141.65,885.7)
  vertical w10: v3(255.91,885.7) v7(255.91,1950.79)
  Bottom Layer w10: v7(255.91,1950.79) R55.1@255.91,1993.11
USART2_TX_MP: R53.1 U3.86 | length 1613
  Top Layer w6: U3.86@1417.31,3375.98 1417.31,3345.69 1417.18,3345.57 1417.18,3329.16 1417.31,3329.03 1417.31,3308.31 v2(1418.53,3307.09)
  Bottom Layer w10: R53.1@192.91,3156.5 195.87,3156.5 204.65,3165.28 204.65,3172.17 587.6,3555.12 1248.03,3555.12 1419.18,3383.97 1419.18,3357.06 1419.18,3307.74 v2(1418.53,3307.09)
USART3_RX_CP: U6.56 U?.6 | length 2039.4
  Top Layer w10: v1(1574.79,964.57) U6.56@1683.06,964.57 ; U?.6@2312.6,2224.41 2312.76,2224.57 2342.36,2224.57 v4(2342.52,2224.72)
  horizontal w10: v1(1574.79,964.57) v3(2125.98,964.57)
  vertical w10: v4@2342.52,2224.41 v4(2342.52,2224.72)
  vertical w15: v3(2125.98,964.57) 2125.98,2007.87 v4@2342.52,2224.41
USART3_RX_MP: U3.56 U?.4 | length 1650.7
  Top Layer w10: v1(1618.42,2952.76) 1638.1,2933.07 U3.56@1683.06,2933.07 ; U?.4@2312.6,2185.04 2312.76,2184.88 2342.36,2184.88 v4(2342.52,2184.72)
  horizontal w10: v1(1618.42,2952.76) v3(2381.89,2952.76)
  vertical w10: v4(2342.52,2184.72) v4@2342.52,2185.04
  vertical w15: v4@2342.52,2185.04 2381.89,2224.41 v3(2381.89,2952.76)
USART3_TX_CP: R58.1 U6.55 | length 1735
  Top Layer w10: v1(1614.16,935.09) 1617.84,935.09 1627.64,944.88 U6.55@1683.06,944.88 ; v4(2145.65,2135.83) R58.1@2198.8,2135.83
  horizontal w10: v1(1614.16,935.09) v3(1933.07,935.09)
  vertical w10: v4@2143.7,2135.83 v4(2145.65,2135.83)
  vertical w15: v3(1933.07,935.09) 1933.07,1925.2 v4@2143.7,2135.83
USART3_TX_MP: R57.1 U3.55 | length 1383.1
  Top Layer w10: v1(1575.42,2917.64) 1656.35,2917.64 1659.7,2914.29 1682.15,2914.29 U3.55@1683.06,2913.39
  Top Layer w15: v4(2145.65,2273.62) R57.1@2198.8,2273.62
  horizontal w10: v1(1575.42,2917.64) 1579.1,2917.64 1586.66,2925.2 2135.39,2925.2 2142.95,2917.64 v3(2145.65,2917.64)
  vertical w15: v4(2145.65,2273.62) v3(2145.65,2917.64)
USART6_RX_CP: J10.1 U6.64 U13.20 | length 3314.3
  Top Layer w5: v2(1575.17,1122.43) 1575.35,1122.24 1682.87,1122.24 U6.64@1683.06,1122.05
  Top Layer w10: v2(137.8,1328.74) J10.1@187.99,1328.74 ; U13.20@2401.56,330.71 v1(2460.61,330.71)
  Top Layer w20: v2(137.8,1328.74) J10.1@187.99,1328.74
  horizontal w6: v2@1575.17,1122.05 1657.47,1122.05
  horizontal w10: 1658.1,1122.68 2175.14,1122.68 2175.77,1122.05 2200.46,1122.05 v3(2200.77,1121.73)
  vertical w10: v3(2200.77,1121.73) 2200.77,590.55 v1(2460.61,330.71)
  Bottom Layer w10: v2(137.8,1328.74) 344.11,1122.43 v2(1575.17,1122.43)
USART6_TX_CP: J10.2 U6.63 U13.21 | length 3266.5
  Top Layer w10: v2(137.8,1279.53) J10.2@187.99,1279.53 ; v2(1614.16,1102.24) 1614.22,1102.3 1682.99,1102.3 U6.63@1683.06,1102.36 ; U13.21@2401.56,287.4 v1(2460.61,287.4)
  Top Layer w20: v2(137.8,1279.53) J10.2@187.99,1279.53
  horizontal w10: v2@1614.6,1102.68 v3(2165.34,1102.68)
  vertical w10: v3(2165.34,1102.68) 2165.34,582.68 v1(2460.61,287.4)
  Bottom Layer w6: 1535.69,1102.61 1586.17,1102.61 1586.43,1102.36 1614.03,1102.36 v2(1614.16,1102.24)
  Bottom Layer w10: v2(137.8,1279.53) 314.71,1102.61 1535.69,1102.61
USB_OTG_FS_DM_CP: D19.1 J3.2 U6.70 | length 1113.1
  Top Layer w10: U6.70@1683.06,1240.16 2158.36,1240.16 2223.32,1175.2 2641.72,1175.2 ; D19.1@2641.72,1149.61 2641.72,1175.2 ; J3.2@2743.69,1175.2 2641.72,1175.2
USB_OTG_FS_DM_MP: D16.1 J2.2 U3.70 | length 762.8
  Top Layer w10: U3.70@1683.06,3208.66 1890.73,3208.66 1915.34,3233.27 1915.34,3599.21 ; J2.2@1915.34,3727.95 1915.34,3599.21 ; D16.1@1940.93,3599.21 1915.34,3599.21
USB_OTG_FS_DP_CP: D20.1 J3.3 U6.71 | length 1110.7
  Top Layer w10: U6.71@1683.06,1259.84 1724.55,1259.84 2173.23,1259.84 2232.28,1200.79 2641.72,1200.79 ; D20.1@2641.72,1226.38 2641.72,1200.79 ; J3.3@2743.69,1200.79 2641.72,1200.79
USB_OTG_FS_DP_MP: D17.1 J2.3 U3.71 | length 719.2
  Top Layer w10: U3.71@1683.06,3228.35 1868.14,3228.35 1889.75,3249.95 1889.75,3599.21 ; D17.1@1864.16,3599.21 1889.75,3599.21 ; J2.3@1889.75,3727.95 1889.75,3599.21
USB_OTG_FS_ID_CP: D21.1 J3.4 U6.69 | length 1226.1
  Top Layer w10: v1(1614.16,1220.6) 1614.22,1220.54 1682.99,1220.54 U6.69@1683.06,1220.47 ; D21.1@2688.96,1251.97 v5(2688.96,1228.35) 2689.95,1227.36 2742.7,1227.36 J3.4@2743.69,1226.38
  horizontal w10: v1(1614.16,1220.6) 2678.51,1220.6 2686.26,1228.35 v5(2688.96,1228.35)
USB_OTG_FS_ID_MP: D18.1 J2.4 U3.69 | length 981.8
  Top Layer w10: v1(1574.37,3208.66) 1618.53,3208.66 1638.22,3188.98 U3.69@1683.06,3188.98 ; D18.1@1811.02,3670.28 v5(1864.16,3670.28) J2.4@1864.16,3727.95
  horizontal w10: v1(1574.37,3208.66) v3(1866.14,3208.66) 1865.15,3209.65 1865.15,3669.28 v5(1864.16,3670.28)
VDDA_CP: C33.1 C34.1 FB2.2 R12.2 U6.21 | length 410.1
  Top Layer w10: FB2.2@866.13,740.37 867.11,740.37 874.91,748.16 874.91,749.15 879.98,754.23 879.98,775.67 C33.1@891.72,787.4 889.75,789.37 C34.1@889.75,845.47 ; R12.2@891.72,913.39 889.75,911.42 C34.1@889.75,845.47 ; U6.21@1072.82,944.88 1027.01,944.88 927.6,845.47 C34.1@889.75,845.47
VDDA_MP: C13.1 C14.1 FB1.2 R11.2 U3.21 | length 408.4
  Top Layer w10: FB1.2@866.13,2708.87 867.11,2708.87 874.91,2716.67 874.91,2717.65 879.98,2722.73 879.98,2748.11 889.75,2757.87 C14.1@889.75,2813.98 ; R11.2@891.72,2881.89 889.75,2879.92 C14.1@889.75,2813.98 ; U3.21@1072.82,2913.39 1025.58,2913.39 926.17,2813.98 C14.1@889.75,2813.98
VREF+_CP: C35.1 C36.1 R12.1 U6.20 | length 322.3
  Top Layer w10: R12.1@840.54,913.39 840.54,915.35 879.98,954.8 879.98,964.12 C36.1@889.75,973.89 ; C35.1@891.72,1027.56 889.75,1025.59 C36.1@889.75,973.89 ; U6.20@1072.82,964.57 981.97,964.57 972.65,973.89 C36.1@889.75,973.89
VREF+_MP: C15.1 C16.1 R11.1 U3.20 | length 322.3
  Top Layer w10: R11.1@840.54,2881.89 853.25,2894.61 853.25,2902.94 889.75,2939.44 C16.1@889.75,2942.39 ; C15.1@891.72,2996.06 889.75,2994.1 C16.1@889.75,2942.39 ; U3.20@1072.82,2933.07 899.07,2933.07 C16.1@889.75,2942.39
pads on no net: SWD1.6 SWD1.7 SWD1.8 SWD2.6 SWD2.7 SWD2.8 U2.4 U3.28 U3.33 U3.34 U3.35 U3.36 U3.37 U3.38 U3.40 U3.42 U3.45 U3.46 U3.47 U3.51 U3.52 U3.53 U3.54 U3.57 U3.58 U3.67 U3.68 U3.77 U3.81 U3.82 U3.85 U6.15 U6.16 U6.17 U6.18 U6.22 U6.23 U6.37 U6.38 U6.46 U6.47 U6.57 U6.58 U6.68 U6.87 U6.88 U6.92 U6.93 U8.9 U9.2 U9.3 U9.7 U9.9 U9.10 U9.11 U12.3 U12.6 U12.7 U12.8 U12.12 U12.14 U13.1 U13.2 U13.4 U13.5 U13.6 U13.7 U13.15 U13.16 U13.17 U13.22 U14.12 U14.13 U15.12 U15.13 U17.1 U18.4
copper on no net: | length 2522.9
  Top Layer w5: v1(1574.79,1200.79) 1683.06,1200.79
  Top Layer w6: 1072.82,1023.62 v1(1181.09,1023.62) ; 1072.82,1062.99 v1(1181.09,1062.99) ; 1279.51,2765.75 v1(1279.51,2874.02) ; v1(1299.2,1299.21) 1299.2,1407.48 ; 1318.88,2765.75 v1(1318.88,2874.02) ; 1358.25,2765.75 1358.25,2814.55 1358.38,2814.67 1358.38,2842.85 1358.25,2842.98 v1(1358.25,2874.02) ; v1(1377.94,1299.21) 1377.94,1407.48 ; 1496.05,3375.98 1496.05,3345.69 1496.17,3345.57 1496.17,3329.16 1496.05,3329.03 1496.05,3307.21 v1(1496.17,3307.09) ; 1515.73,2765.75 v1(1515.73,2874.02)
  Top Layer w10: 1072.82,1003.94 v1(1141.72,1003.94) ; 1072.82,1043.31 v1(1141.72,1043.31) ; 1181.09,2765.75 v1(1181.09,2834.65) ; v1(1279.39,1338.58) 1279.45,1338.65 1279.45,1407.42 1279.51,1407.48 ; 1299.2,2765.75 v1(1299.2,2834.65) ; 1338.57,2765.75 v1(1338.57,2834.65) ; 1357.35,798.15 1358.25,797.24 ; 1377.94,2765.75 1378.06,2765.87 1378.06,2834.39 v1(1378.19,2834.52) ; v1(1397.31,1338.65) 1397.47,1338.8 1397.47,1407.32 1397.62,1407.48 ; 1417.31,2765.75 v1(1417.31,2834.65) ; v1(1436.99,3337.36) 1436.99,3375.98 ; 1456.68,2765.75 v1(1456.68,2833.66) ; 1515.73,3375.98 1515.86,3375.86 1515.86,3337.49 v1(1515.98,3337.36) ; 1535.42,2765.75 v1(1535.42,2834.65) ; 1555.1,2765.75 1555.1,2815.38 v1(1574.37,2834.65) ; v1(1574.79,2881.89) 1578.47,2881.89 1586.35,2874.02 1683.06,2874.02 ; v1(1574.79,3149.61) 1683.06,3149.61 ; 1594.47,3375.98 1594.93,3375.53 1594.93,3337.82 v1(1595.38,3337.36) ; v1(1614.73,2818.9) 1618.42,2818.9 1634.17,2834.65 1683.06,2834.65 ; v1(1614.73,2852.21) 1615.95,2853.43 1682.15,2853.43 1683.06,2854.33 ; v1(1614.73,3169.29) 1683.06,3169.29 ; v1(1647.32,2895.83) 1648.54,2894.61 1682.15,2894.61 1683.06,2893.7 ; 2401.56,244.09 v1(2460.61,244.09)

## Polygon pours and split planes (outlines as drawn)
GND on Top Layer "GND TOP" (solid, pour order 4): 47.24,0 2944.88,0 ccw(c2944.88,47.24) 2992.13,47.24 2992.13,3889.76 ccw(c2944.88,3889.76) 2944.88,3937.01 47.24,3937.01 ccw(c47.24,3889.76) 0,3889.76 0,47.24 ccw(c47.24,47.24)
GND on horizontal "GND horizontal" (solid, pour order 3): 47.24,0 2944.88,0 ccw(c2944.88,47.24) 2992.13,47.24 2992.13,3889.76 ccw(c2944.88,3889.76) 2944.88,3937.01 47.24,3937.01 ccw(c47.24,3889.76) 0,3889.76 0,47.24 ccw(c47.24,47.24)
GND on vertical "GND vertical" (solid, pour order 2): 47.24,0 2944.88,0 ccw(c2944.88,47.24) 2992.13,47.24 2992.13,3889.76 ccw(c2944.88,3889.76) 2944.88,3937.01 47.24,3937.01 ccw(c47.24,3889.76) 0,3889.76 0,47.24 ccw(c47.24,47.24)
GND on Bottom Layer "GND BOTTOM" (solid, pour order 1): 47.24,0 2944.88,0 ccw(c2944.88,47.24) 2992.13,47.24 2992.13,3889.76 ccw(c2944.88,3889.76) 2944.88,3937.01 47.24,3937.01 ccw(c47.24,3889.76) 0,3889.76 0,47.24 ccw(c47.24,47.24)